# Altium PCB ECG_Ctrl_V1.0_ZM_20211208.PcbDoc (part 1 of 2)
Units mm, origin at the board's own origin, x right, y up, seen from the top; angles counter-clockwise.
Board outline 95.22 x 89.27 mm, 2 copper layers (Top Layer, Bottom Layer); 220 components, 162 nets, 692 pads, 673 vias.
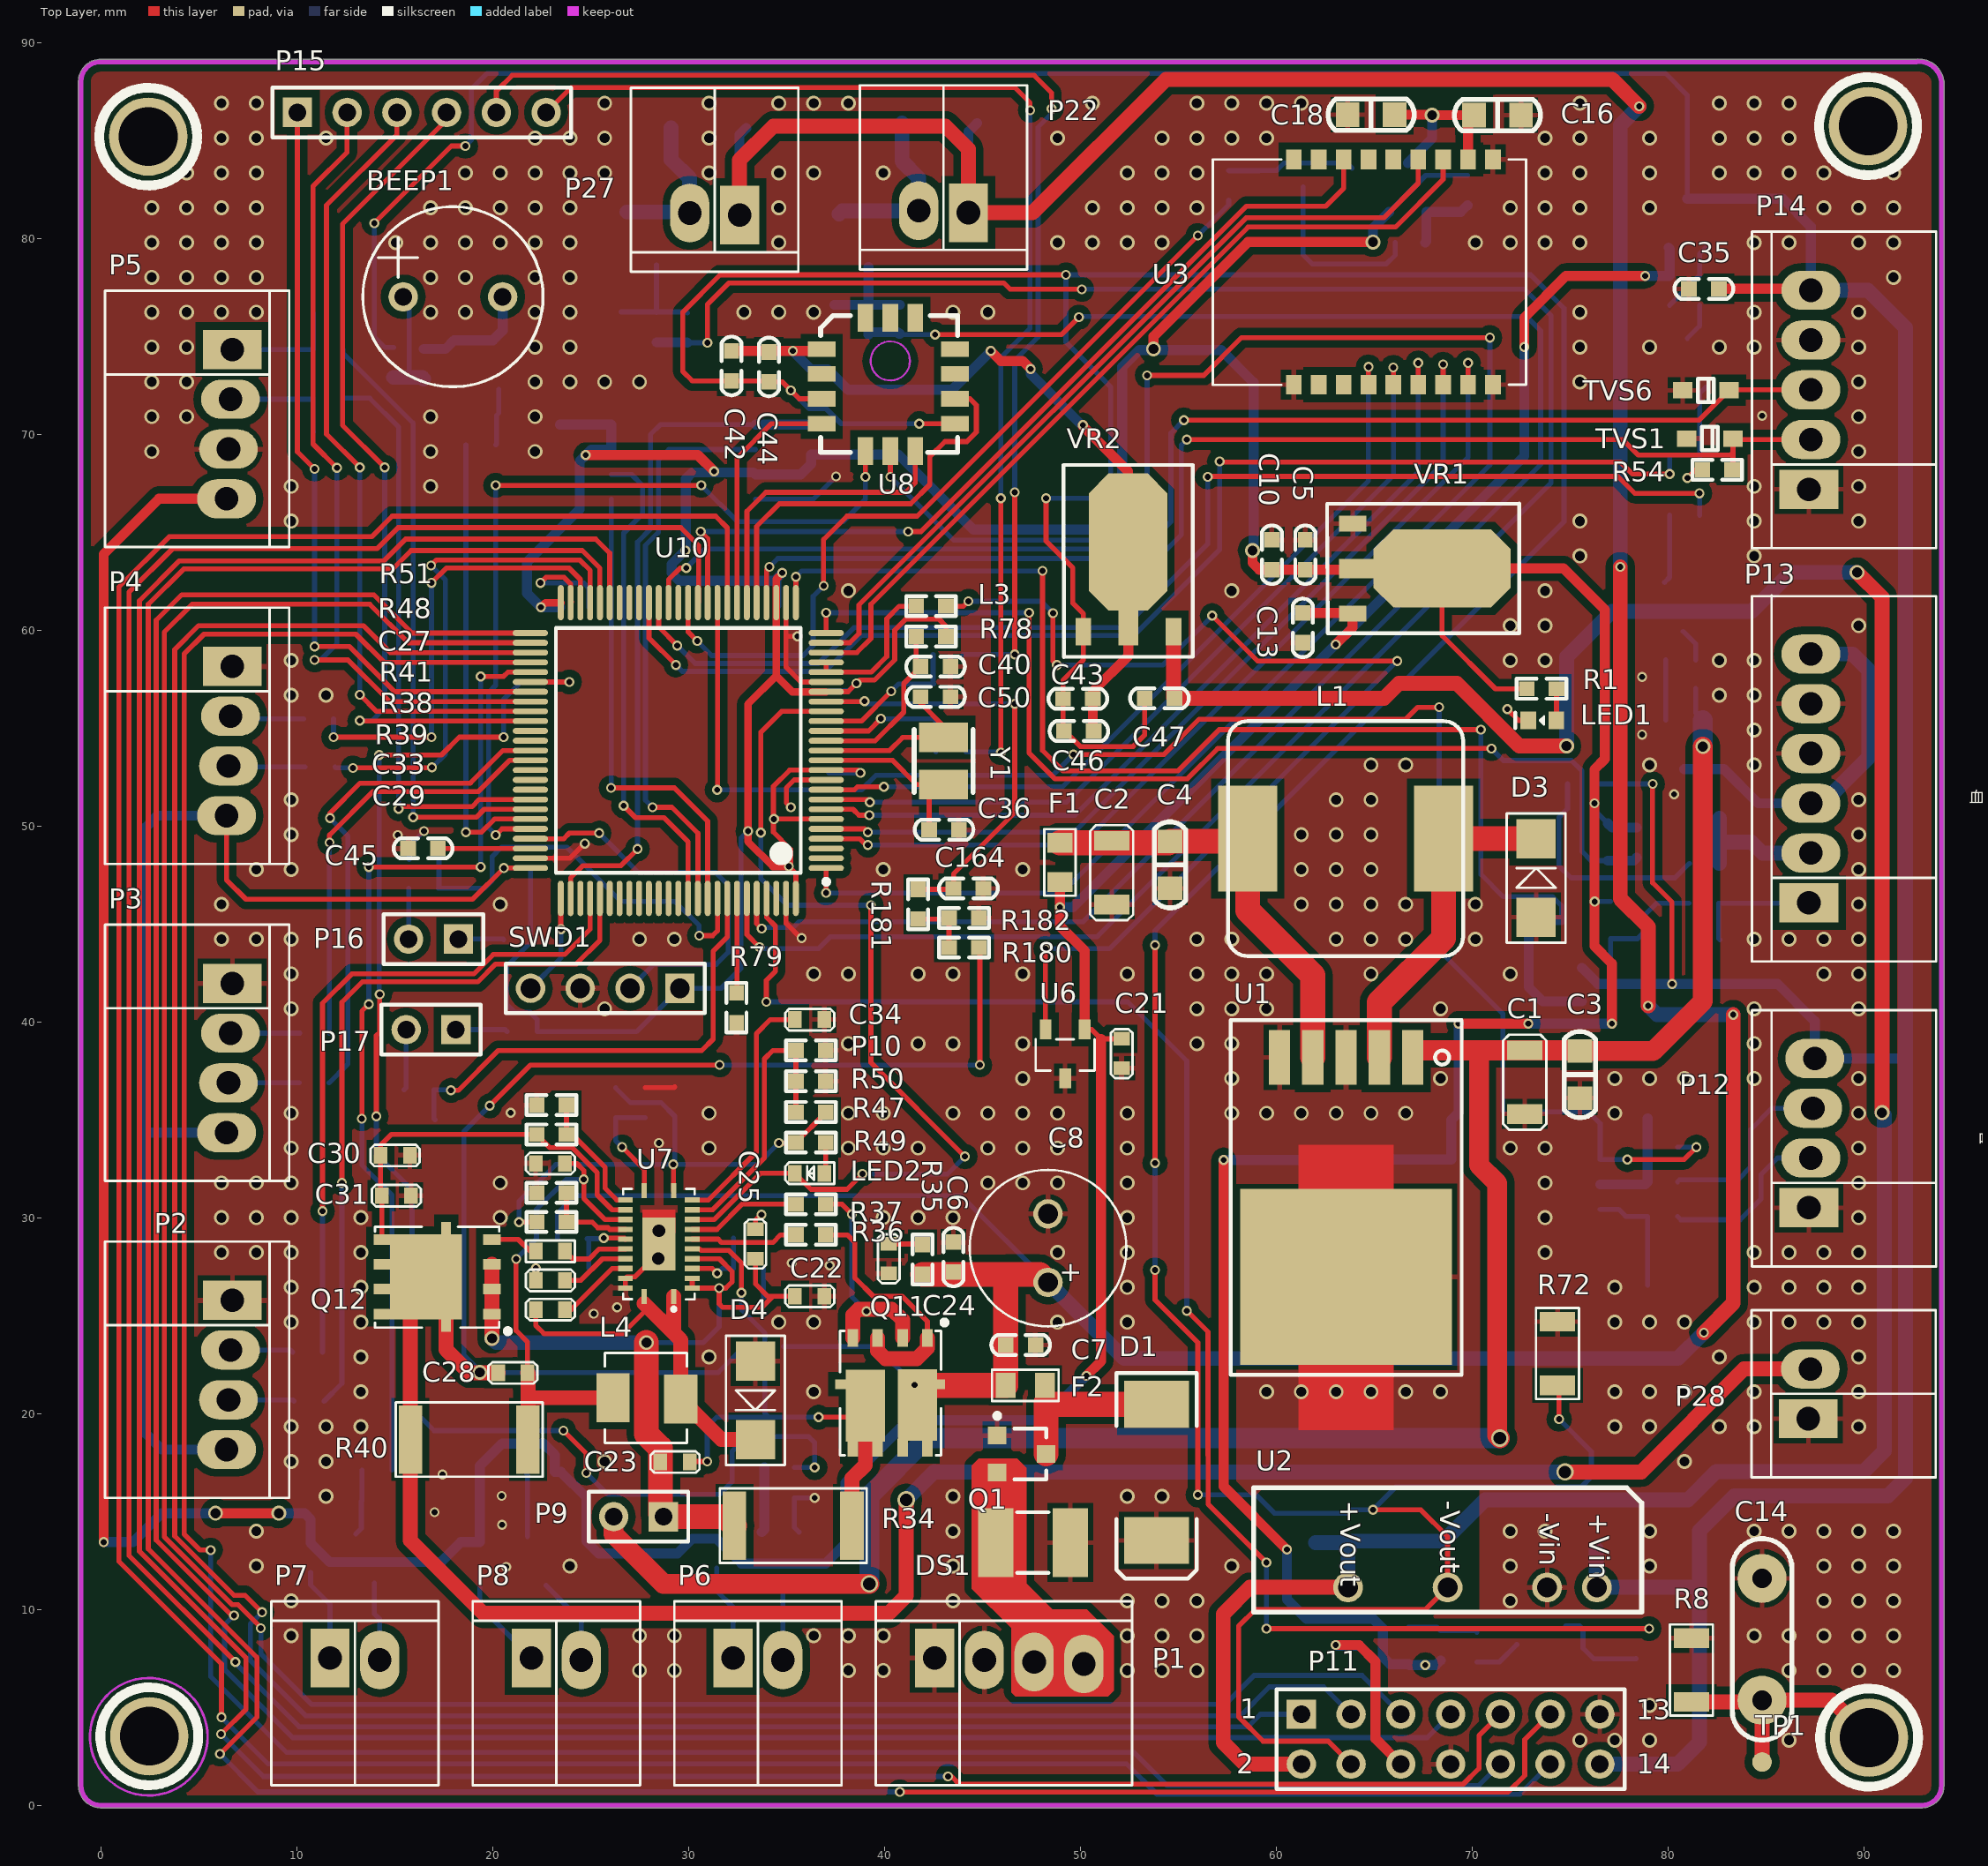
[diagram p0: Top Layer view]
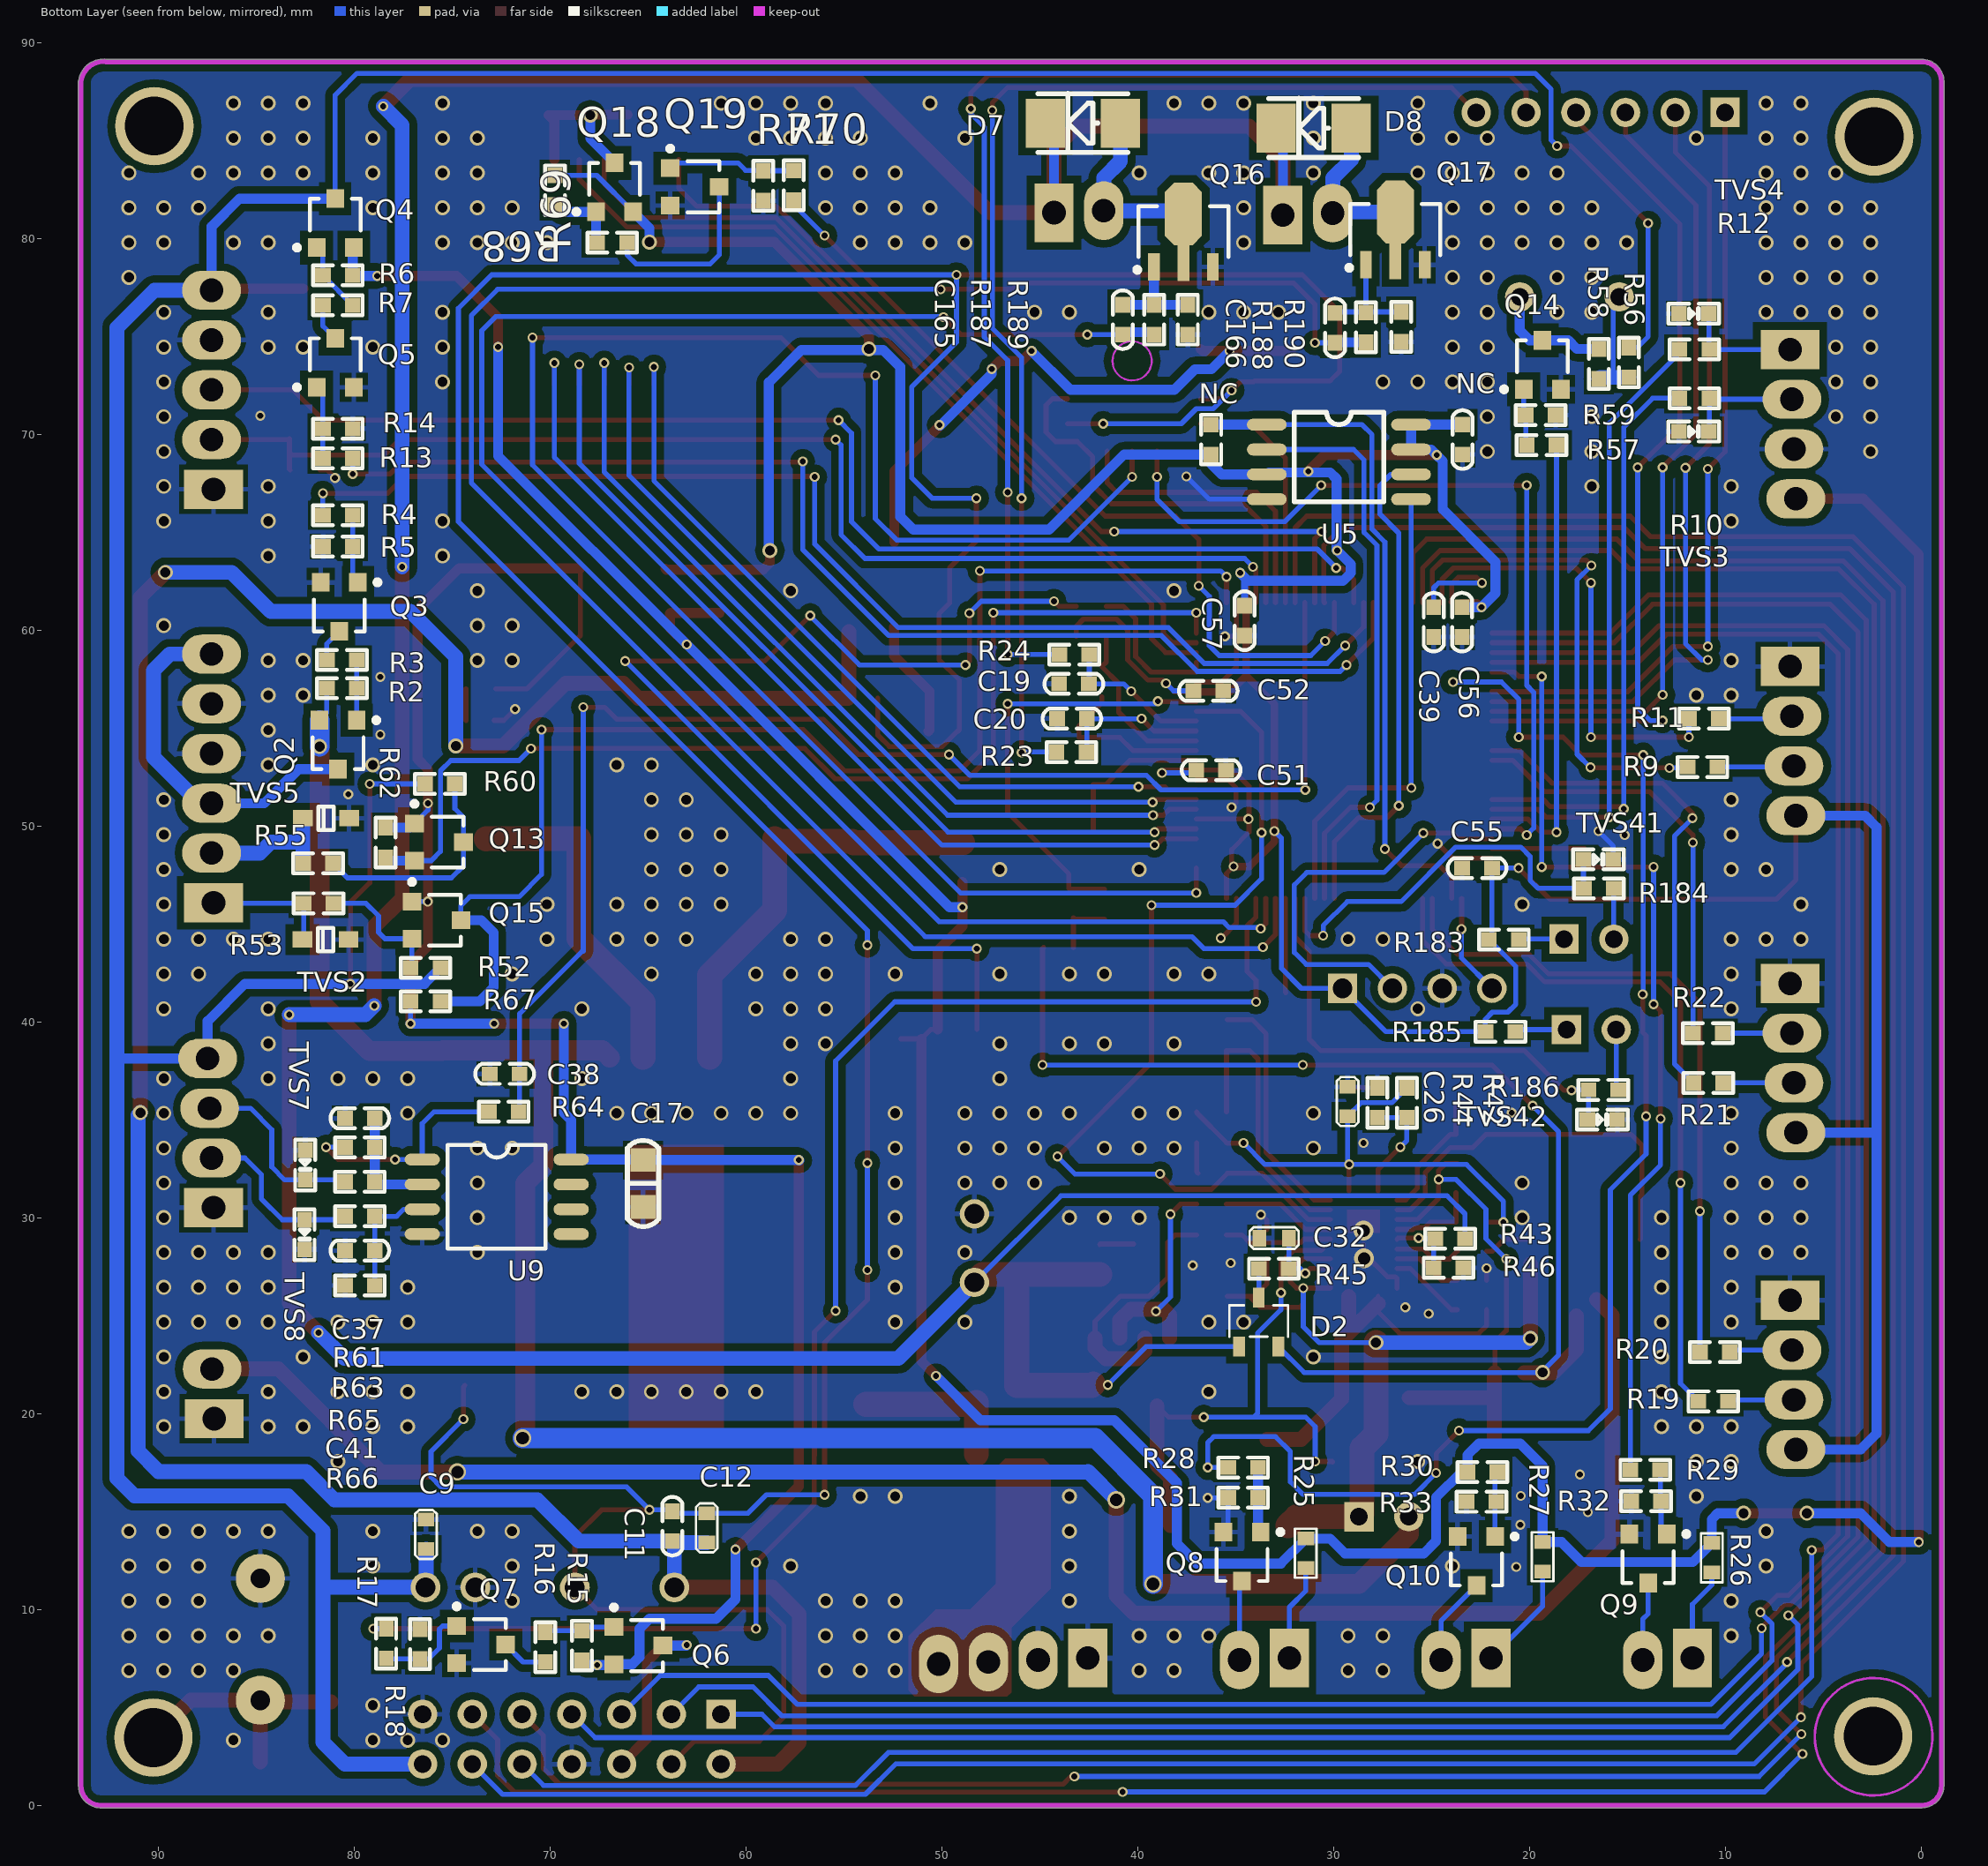
[diagram p1: Bottom Layer view, seen from below]
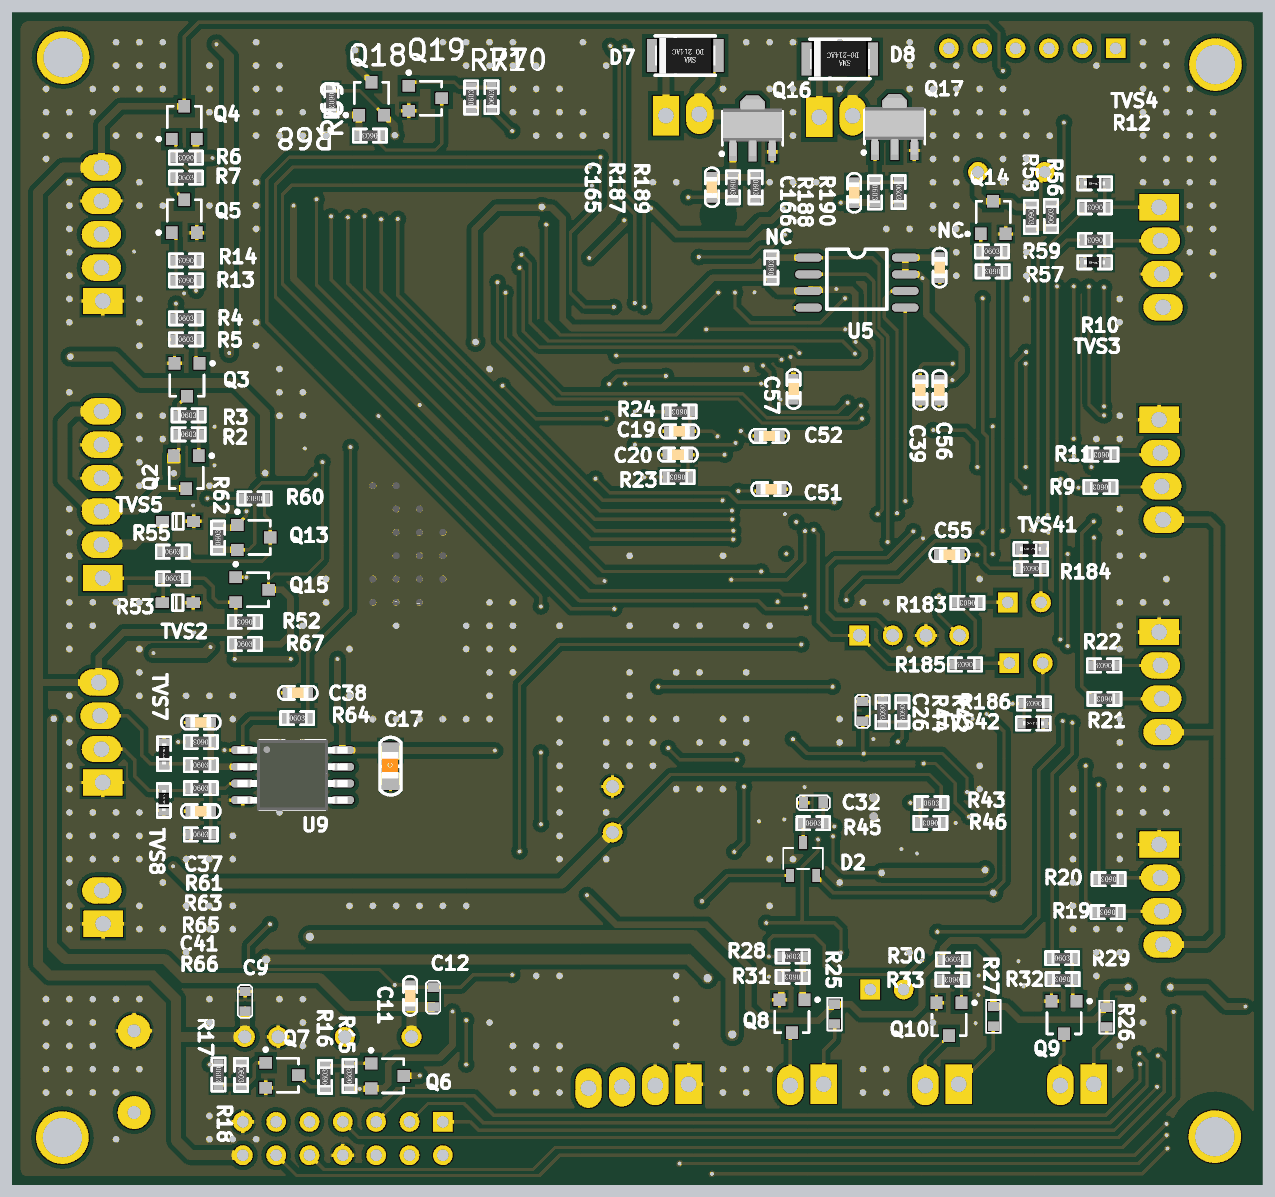
[diagram p3: 3D render of the assembled board from below, using the file's embedded part models]

## Layer stack, top to bottom
Top Solder: solder mask 0.0102, Solder Resist, Dk 3.5
Top Layer: signal copper 0.0356
Dielectric1: dielectric 0.32, FR-4, Dk 4.8
Bottom Layer: signal copper 0.0356
Bottom Solder: solder mask 0.0102, Solder Resist, Dk 3.5

## Board outline
-1.127,1 cw(c-1,1) -1.127,1.013 cw(c-1,1.025) -1.127,1.025 -1.127,88.025 cw(c-1,88.025) -1.127,88.033 cw(c0,88.011) 0,89.138 92.673,89.138 cw(c92.823,87.87) 94.085,88.065 cw(c93.964,88.025) 94.091,88.025 94.091,1.025 cw(c93.964,1.025) 94.091,1.013 cw(c93.964,1) 94.091,1 cw(c92.964,1) 92.994,-0.127 cw(c92.984,0) 92.984,-0.127 0,-0.127 cw(c0,1)

## Design rules (kind name [scope] priority, off if disabled: settings)
Clearance Clearance_2 [InNet('NetC32_2')] p1: gap=0.508
Clearance Clearance_1 [InPolygon] p2: gap=0.381
Clearance [All] p3: gap=0.152
NetAntennae [All] p1: netantennaetolerance=5.08
PolygonConnect PolygonConnect_2 [InNet('NetC32_2')] p1: connectstyle=Direct reliefconductorwidth=0.254 reliefentries=4 polygonreliefangle="90 Angle" airgapwidth=0.254
PolygonConnect PolygonConnect_1 [isvia] p2: connectstyle=Direct reliefconductorwidth=0.254 reliefentries=4 polygonreliefangle="90 Angle" airgapwidth=0.254
PolygonConnect [All] p3: connectstyle=Relief reliefconductorwidth=0.254 reliefentries=4 polygonreliefangle="90 Angle" airgapwidth=0.254
RoutingVias [All] p1: holewidth=0.305 width=0.61 viastyle="Through Hole" minholewidth=0.203 minwidth=0.203 maxholewidth=5.08 maxwidth=5.08
SilkToSolderMaskClearance [IsPad] p1: minsilkscreentomaskgap=0.051 clearancetoexposedcopper=TRUE
SolderMaskExpansion [All] p1: expansion=0.102
Width [All] p1: maxlimit=9.144 minlimit=0.254 preferedwidth=0.254
28 further rules are at their usual default settings.

## Classes and differential pairs
component class 02_Power: C1 C2 C3 C4 C5 C6 C7 C8 C9 C10 C11 C12 C13 C14 D1 D3 DS1 F1 F2 L1 LED1 P1 Q1 Q2 Q3 Q4 Q5 Q6 Q7 R1 R2 R3 R4 R5 R6 R7 R8 R13 R14 R15 R16 R17 R18 R72 TP1 U1 U2 VR1
component class Sensor: C35 C37 C38 C41 C42 C43 C44 C46 C47 P12 P13 P14 Q13 Q15 R52 R53 R54 R55 R60 R61 R62 R63 R64 R65 R66 R67 TP4 TVS1 TVS2 TVS5 TVS6 TVS7 TVS8 U8 U9 VR2
component class 05_USART: P2 P3 P4 P5 R9 R10 R11 R12 R19 R20 R21 R22 TVS3 TVS4
component class cpu: C19 C20 C21 C36 C39 C40 C45 C50 C51 C52 C55 C56 C57 C164 C165 C166 D7 D8 L3 P6 P7 P8 P11 P15 P16 P17 P22 P27 Q8 Q9 Q10 Q16 Q17 R23 R24 R25 R26 R27 R28 R29 R30 R31 R32 R33 R78 R79 R180 R181 R182 R183 R184 R185 R186 R187 R188 R189 R190 SWD1 TVS41 TVS42 U6 U10 Y1
component class Charger: C22 C23 C24 C25 C26 C27 C28 C29 C30 C31 C32 C33 C34 D2 D4 L4 LED2 P9 P10 P28 Q11 Q12 R34 R35 R36 R37 R38 R39 R40 R41 R42 R43 R44 R45 R46 R47 R48 R49 R50 R51 U7
component class BlueToothi: C16 C17 C18 Q18 Q19 R68 R69 R70 R71 U3
component class 11_Speak: BEEP1 BP1 Q14 R56 R57 R58 R59
component class 13_SPI_Flash: NC U5

## Components (designator, comment, footprint, x,y, rotation, side; value= is the part's Value field where it differs from the comment)
BEEP1 "BEEP-9.5X5.5" BEEP-9.5X5.5 17.983,77.013 r0 top
C1 "22uF/35V" 1206C 72.695,38.541 r270 top
C2 "22uF/35V" 1206C 51.613,49.236 r270 top
C3 "104 50V" SMD-0805C 75.514,37.304 r90 top
C4 "104 50V" SMD-0805C 54.585,48.011 r90 top
C5 "10uF 25V" SMD-0603C 61.493,63.844 r270 top
C6 "10uF25V" SMD-0603C 43.536,27.991 r270 top
C7 "104 50V" SMD-0603C 46.965,23.504 r180 top
C8 "470uF/25V" 8*12 48.362,28.445 r270 top
C9 "0.1uF/ 25V" 0603C 76.353,13.081 r90 bottom
C10 "104 50V" SMD-0603C 59.792,63.844 r270 top
C11 "10uF 25V" SMD-0603C 63.779,14.249 r270 bottom
C12 "0.1uF/ 25V" 0603C 62.027,13.411 r90 bottom
C13 "104 50V" SMD-0603C 61.366,60.11 r90 top
C14 "1nF/4kV" CY1 84.811,5.359 r90 top
C16 "22uF 25V" SMD-0805C 71.304,86.284 r180 top
C17 "22uF 25V" SMD-0805C 65.276,31.744 r90 bottom
C18 "0.1uF 25V" SMD-0805C 64.852,86.309 r0 top
C19 "0.1uF/25V" SMD-0603C 43.282,57.252 r0 bottom
C20 "0.1uF/25V" SMD-0603C 43.383,55.474 r0 bottom
C21 "0.1uF" 0603C 52.121,39.128 r270 top
C22 "0.1uF/ 25V" 0603C 35.445,25.988 r0 top
C23 "0.1uF/ 25V" 0603C 30.075,17.526 r180 top
C24 "2.2uF/ 25V" 0603C 40.231,28.657 r270 top
C25 "10uF/ 25V" 0603C 33.424,27.901 r90 top
C26 "1uF/ 25V" 0603C 29.309,35.175 r90 bottom
C27 "0.1uF/ 25V" 0603C 22.211,32.763 r0 top
C28 "0.1uF/ 25V" 0603C 20.291,22.077 r0 top
C29 "0.047uF/ 25V" 0603C 22.211,25.302 r0 top
C30 "10uF/ 25V" 0603C 14.289,33.176 r0 top
C31 "10uF/ 25V" 0603C 14.349,31.119 r0 top
C32 "1uF/ 25V" 0603C 32.307,28.956 r0 bottom
C33 "1uF/ 25V" 0603C 22.211,26.795 r0 top
C34 "0.1uF/ 25V" 0603C 35.445,40.111 r0 top
C35 "0.1uF/50V/X5R" SMD-0603C 81.839,77.419 r0 top
C36 "12P/50V" SMD-0603C 43.053,49.809 r0 top
C37 "47pF/50V/X5R" SMD-0603C 79.731,35.077 r0 bottom
C38 "47pF/50V/X5R" SMD-0603C 72.339,37.338 r180 bottom
C39 "4.7uF/10V/NC" SMD-0603C 24.917,60.401 r90 bottom
C40 "1uF/50V" SMD-0603C 42.621,58.132 r180 top
C41 "47pF/50V/X5R" SMD-0603C 79.731,28.321 r180 bottom
C42 "104 50V" SMD-0603C 32.207,73.482 r90 top
C43 "10uF 25V" SMD-0603C 49.886,56.49 r0 top
C44 "10uF 10V" SMD-0603C 34.112,73.431 r90 top
C45 "4.7uF/10V/NC" SMD-0603C 16.459,48.848 r0 top
C46 "0.1uF/50V/X5R" SMD-0603C 49.936,54.839 r0 top
C47 "104 50V" SMD-0603C 54.051,56.515 r0 top
C50 "12P/50V" SMD-0603C 42.621,56.591 r0 top
C51 "0.1uF/50V" SMD-0603C 36.277,52.848 r0 bottom
C52 "0.1uF/50V" SMD-0603C 36.424,56.896 r0 bottom
C55 "0.1uF/50V" SMD-0603C 22.701,47.848 r180 bottom
C56 "0.1uF/50V" SMD-0603C 23.47,60.401 r90 bottom
C57 "0.1uF/50V" SMD-0603C 34.569,60.477 r90 bottom
C164 "0.1uF/25V" SMD-0603C 44.298,46.812 r0 top
C165 "1uF/50V/X5R" SMD-0603C 40.792,75.844 r270 bottom
C166 "1uF/50V/X5R" SMD-0603C 29.953,75.425 r270 bottom
D1 "SMCJ12CA" SMC 53.899,16.997 r270 top
D2 "BAT54C" SOT23-3 34.849,23.419 r270 bottom
D3 "SS34" SMA 73.279,45.339 r90 top
D4 "SS34" SMA 33.424,22.673 r270 top
D7 "1N4007" DO-214-AC 42.824,85.877 r0 bottom
D8 "1N4007" DO-214-AC 31.039,85.623 r0 bottom
DS1 "UN1812-90CSMD" SMD-1812 47.595,13.411 r0 top
F1 "SMD0805P200" 0805r 48.971,49.134 r270 top
F2 "SMD0805P200" 0805R 48.203,21.438 r180 top
L1 "CDRH127-33uH" CDRH-127 63.551,49.352 r180 top
L3 "MPZ1608D101BTA00" SMD-0603 42.393,61.214 r180 top
L4 "3.3uH/4A/4*4" INDUCTOR_4X4X2 29.61,20.748 r180 top
LED1 "蓝光 3528" SMD-0603D 73.609,55.372 r180 top
LED2 "24V" 0603LED 36.945,32.265 r180 top
NC "4.7K" SMD-0603 36.271,69.723 r90 bottom
NC "104 50V" SMD-0603C 23.444,69.723 r270 bottom
P1 "XH2.54-4P直插" 4X2.54MMW 42.57,7.518 r0 top
P2 "1*4P" 4X2.54MMW 6.728,25.781 r270 top
P3 "1*4P" 4X2.54MMW 6.728,41.961 r270 top
P4 "1*4P" 4X2.54MMW 6.728,58.141 r270 top
P5 "1*4P" 4X2.54MMW 6.728,74.32 r270 top
P6 "Header 2" 2X2.54MMw 32.283,7.518 r0 top
P7 "Header 2" 2X2.54MMw 11.709,7.518 r0 top
P8 "Header 2" 2X2.54MMw 21.996,7.518 r0 top
P9 "Header 2" HDR1X2 28.727,14.732 r180 top
P10 "NTC0603-103J4000NT" SMD-0603 36.251,38.536 r0 top
P11 "Header 7X2" HDR2X7 61.291,4.648 r0 top locked
P12 "XH2.54-4P直插" 4X2.54MMw 87.2,30.505 r90 top
P13 "XH2.54 6P 立贴" 6X2.54MMW 87.2,46.076 r90 top
P14 "XH2.54 5P 立贴" 5X2.54MMW 87.2,67.183 r90 top
P15 "Header 6" HDR1X6 10.042,86.427 r0 top locked
P16 "Header 2" HDR1X2 18.263,44.221 r180 top
P17 "Header 2" HDR1X2 18.136,39.599 r180 top
P22 "VH2.54-2P" 2X2.54MMw 44.298,81.305 r180 top
P27 "VH2.54-2P" 2X2.54MMw 32.614,81.188 r180 top
P28 "Header 2" 2X2.54MMW 87.173,19.736 r90 top
Q1 "AO3401" SOT-23 47.015,17.932 r270 top
Q2 "AO3401" SOT-23 80.841,54.147 r0 bottom
Q3 "S8050" SOT-23 80.782,61.183 r0 bottom
Q4 "AO3401" SOT-23 80.988,80.772 r180 bottom
Q5 "S8050" SOT-23 80.988,73.64 r180 bottom
Q6 "AO3401" SOT-23 65.512,8.153 r270 bottom
Q7 "S8050" SOT-23 73.538,8.204 r270 bottom
Q8 "S8050" SOT-23 34.696,12.7 r0 bottom
Q9 "S8050" SOT-23 13.97,12.598 r0 bottom
Q10 "S8050" SOT-23 22.733,12.473 r0 bottom
Q11 "Si7998DP" Si7998DP 42.874,24.802 r270 top
Q12 "Si7135DP" "PowerPAK SO-8" 20.934,24.409 r180 top
Q13 "AO3400" SOT-23 75.692,49.174 r270 bottom
Q14 "LH8050QLT1G" SOT-23 19.37,73.538 r180 bottom
Q15 "AO3400" SOT-23 75.819,45.187 r270 bottom
Q16 "D882M" SOT-89-3 37.694,80.34 r180 bottom
Q17 "D882M" SOT-89-3 26.873,80.442 r180 bottom
Q18 "AO3401" SOT-23 66.726,82.595 r180 bottom
Q19 "S8050" SOT-23 62.636,82.626 r270 bottom
R1 "1K" SMD-0603 73.558,56.998 r0 top
R2 "47K" SMD-0603 80.653,57.023 r180 bottom
R3 "1K" SMD-0603 80.653,58.471 r180 bottom
R4 "1K" SMD-0603 80.856,65.862 r180 bottom
R5 "10K" SMD-0603 80.856,64.262 r180 bottom
R6 "47K" SMD-0603 80.856,78.105 r0 bottom
R7 "1K" SMD-0603 80.856,76.581 r180 bottom
R8 "10M 5%" 1206r 81.204,8.533 r270 top
R9 "10R" SMD-0603 11.201,53.01 r0 bottom
R10 "100R" SMD-0603 11.608,71.831 r0 bottom
R11 "10R" SMD-0603 11.125,55.474 r0 bottom
R12 "100R" SMD-0603 11.608,74.32 r0 bottom
R13 "1K" SMD-0603 80.856,68.758 r0 bottom
R14 "10K" SMD-0603 80.856,70.282 r0 bottom
R15 "47K" SMD-0603 68.402,8.153 r90 bottom
R16 "1K" SMD-0603 70.256,8.077 r90 bottom
R17 "1K" SMD-0603 78.384,8.255 r270 bottom
R18 "10K" SMD-0603 76.657,8.23 r270 bottom
R19 "10R" SMD-0603 10.643,20.625 r0 bottom
R20 "10R" SMD-0603 10.566,23.139 r0 bottom
R21 "10R" SMD-0603 10.897,36.881 r0 bottom
R22 "10R" SMD-0603 10.922,39.421 r0 bottom
R23 "1K/0.1%" SMD-0603 43.409,53.772 r0 bottom
R24 "1K/0.1%" SMD-0603 43.256,58.75 r0 bottom
R25 "100R" 0603r 31.445,12.116 r90 bottom
R26 "100R" 0603r 10.719,11.887 r90 bottom
R27 "100R" 0603r 19.355,11.937 r90 bottom
R28 "1K" SMD-0603 34.646,17.247 r180 bottom
R29 "1K" SMD-0603 14.111,17.12 r180 bottom
R30 "1K" SMD-0603 22.428,17.018 r180 bottom
R31 "47K" SMD-0603 34.646,15.697 r0 bottom
R32 "47K" SMD-0603 14.072,15.519 r0 bottom
R33 "47K" SMD-0603 22.479,15.494 r0 bottom
R34 "10mR" 2512R 38.354,14.275 r180 top
R35 "2" SMD-0603 41.959,27.868 r270 top
R36 "4.02K" SMD-0603 36.251,29.121 r180 top
R37 "4.02K" SMD-0603 36.251,30.69 r0 top
R38 "100K" SMD-0603 23.018,29.773 r180 top
R39 "1K" 0603R 23.711,28.287 r180 top
R40 "10mR" 2512R 21.816,18.673 r180 top
R41 "22.1K" SMD-0603 23.018,31.265 r0 top
R42 "232K" SMD-0603 26.287,35.869 r270 bottom
R43 "1M" SMD-0603 24.079,28.925 r180 bottom
R44 "32.4K" SMD-0603 27.795,35.869 r270 bottom
R45 "10" SMD-0603 33.074,27.401 r180 bottom
R46 "100K" SMD-0603 24.155,27.432 r0 bottom
R47 "2.2K" SMD-0603 36.251,35.398 r0 top
R48 "299K/1%" SMD-0603 23.018,34.25 r0 top
R49 "1.5K" SMD-0603 36.251,33.828 r0 top
R50 "6.8K" SMD-0603 36.251,36.967 r180 top
R51 "60K/1%" SMD-0603 23.018,35.742 r180 top
R52 "10K" SMD-0603 76.378,42.748 r0 bottom
R53 "20R" SMD-0603 81.839,46.05 r180 bottom
R54 "10K" SMD-0603 82.525,68.174 r0 top
R55 "20R" SMD-0603 81.864,48.082 r180 bottom
R56 "51R" SMD-0603 14.961,73.66 r90 bottom
R57 "4.7K" SMD-0603 19.406,69.444 r0 bottom
R58 "1K" SMD-0603 16.485,73.584 r270 bottom
R59 "47K" SMD-0603 19.456,70.968 r180 bottom
R60 "10K" SMD-0603 75.641,52.146 r0 bottom
R61 "399K" SMD-0603 79.731,33.594 r0 bottom
R62 "10K" SMD-0603 78.41,49.149 r90 bottom
R63 "100K" SMD-0603 79.731,31.831 r180 bottom
R64 "100K" SMD-0603 72.39,35.408 r180 bottom
R65 "100K" SMD-0603 79.731,30.069 r180 bottom
R66 "399K" SMD-0603 79.731,26.543 r180 bottom
R67 "10K" SMD-0603 76.378,41.046 r180 bottom
R68 "47K" SMD-0603 69.774,82.448 r270 bottom
R69 "1K" SMD-0603 66.853,79.781 r0 bottom
R70 "1K" SMD-0603 57.582,82.702 r90 bottom
R71 "10K" SMD-0603 59.131,82.677 r90 bottom
R72 "0" 1206r 74.371,21.438 r90 top
R78 "10K" SMD-0603 42.393,59.673 r0 top
R79 "100K" SMD-0603 32.461,40.716 r90 top
R180 "100K/1%" SMD-0603 44.069,43.79 r180 top
R181 "60K/1%" SMD-0603 41.732,45.999 r90 top
R182 "30K/1%" SMD-0603 44.069,45.301 r0 top
R183 "1K" SMD-0603 21.336,44.196 r0 bottom
R184 "1K" SMD-0603 16.485,46.812 r0 bottom
R185 "1K" SMD-0603 21.514,39.497 r0 bottom
R186 "1K" SMD-0603 16.256,36.525 r0 bottom
R187 "100R" SMD-0603 39.192,75.844 r270 bottom
R188 "100R" SMD-0603 28.378,75.451 r270 bottom
R189 "10K" SMD-0603 37.465,75.844 r270 bottom
R190 "10K" SMD-0603 26.575,75.476 r270 bottom
SWD1 "SIP-4 (NC)" SIP-4 25.756,41.707 r180 top
TP1 "TPS" tpd 84.811,2.21 r90 top
TVS1 "PSD03C-LF-T7" SOD-323 82.144,69.774 r0 top
TVS2 "PSD03C-LF-T7" SOD-323 81.483,44.196 r0 bottom